# Altium PCB eRTM15_Baikal.PcbDoc (part 1 of 7) (continued)
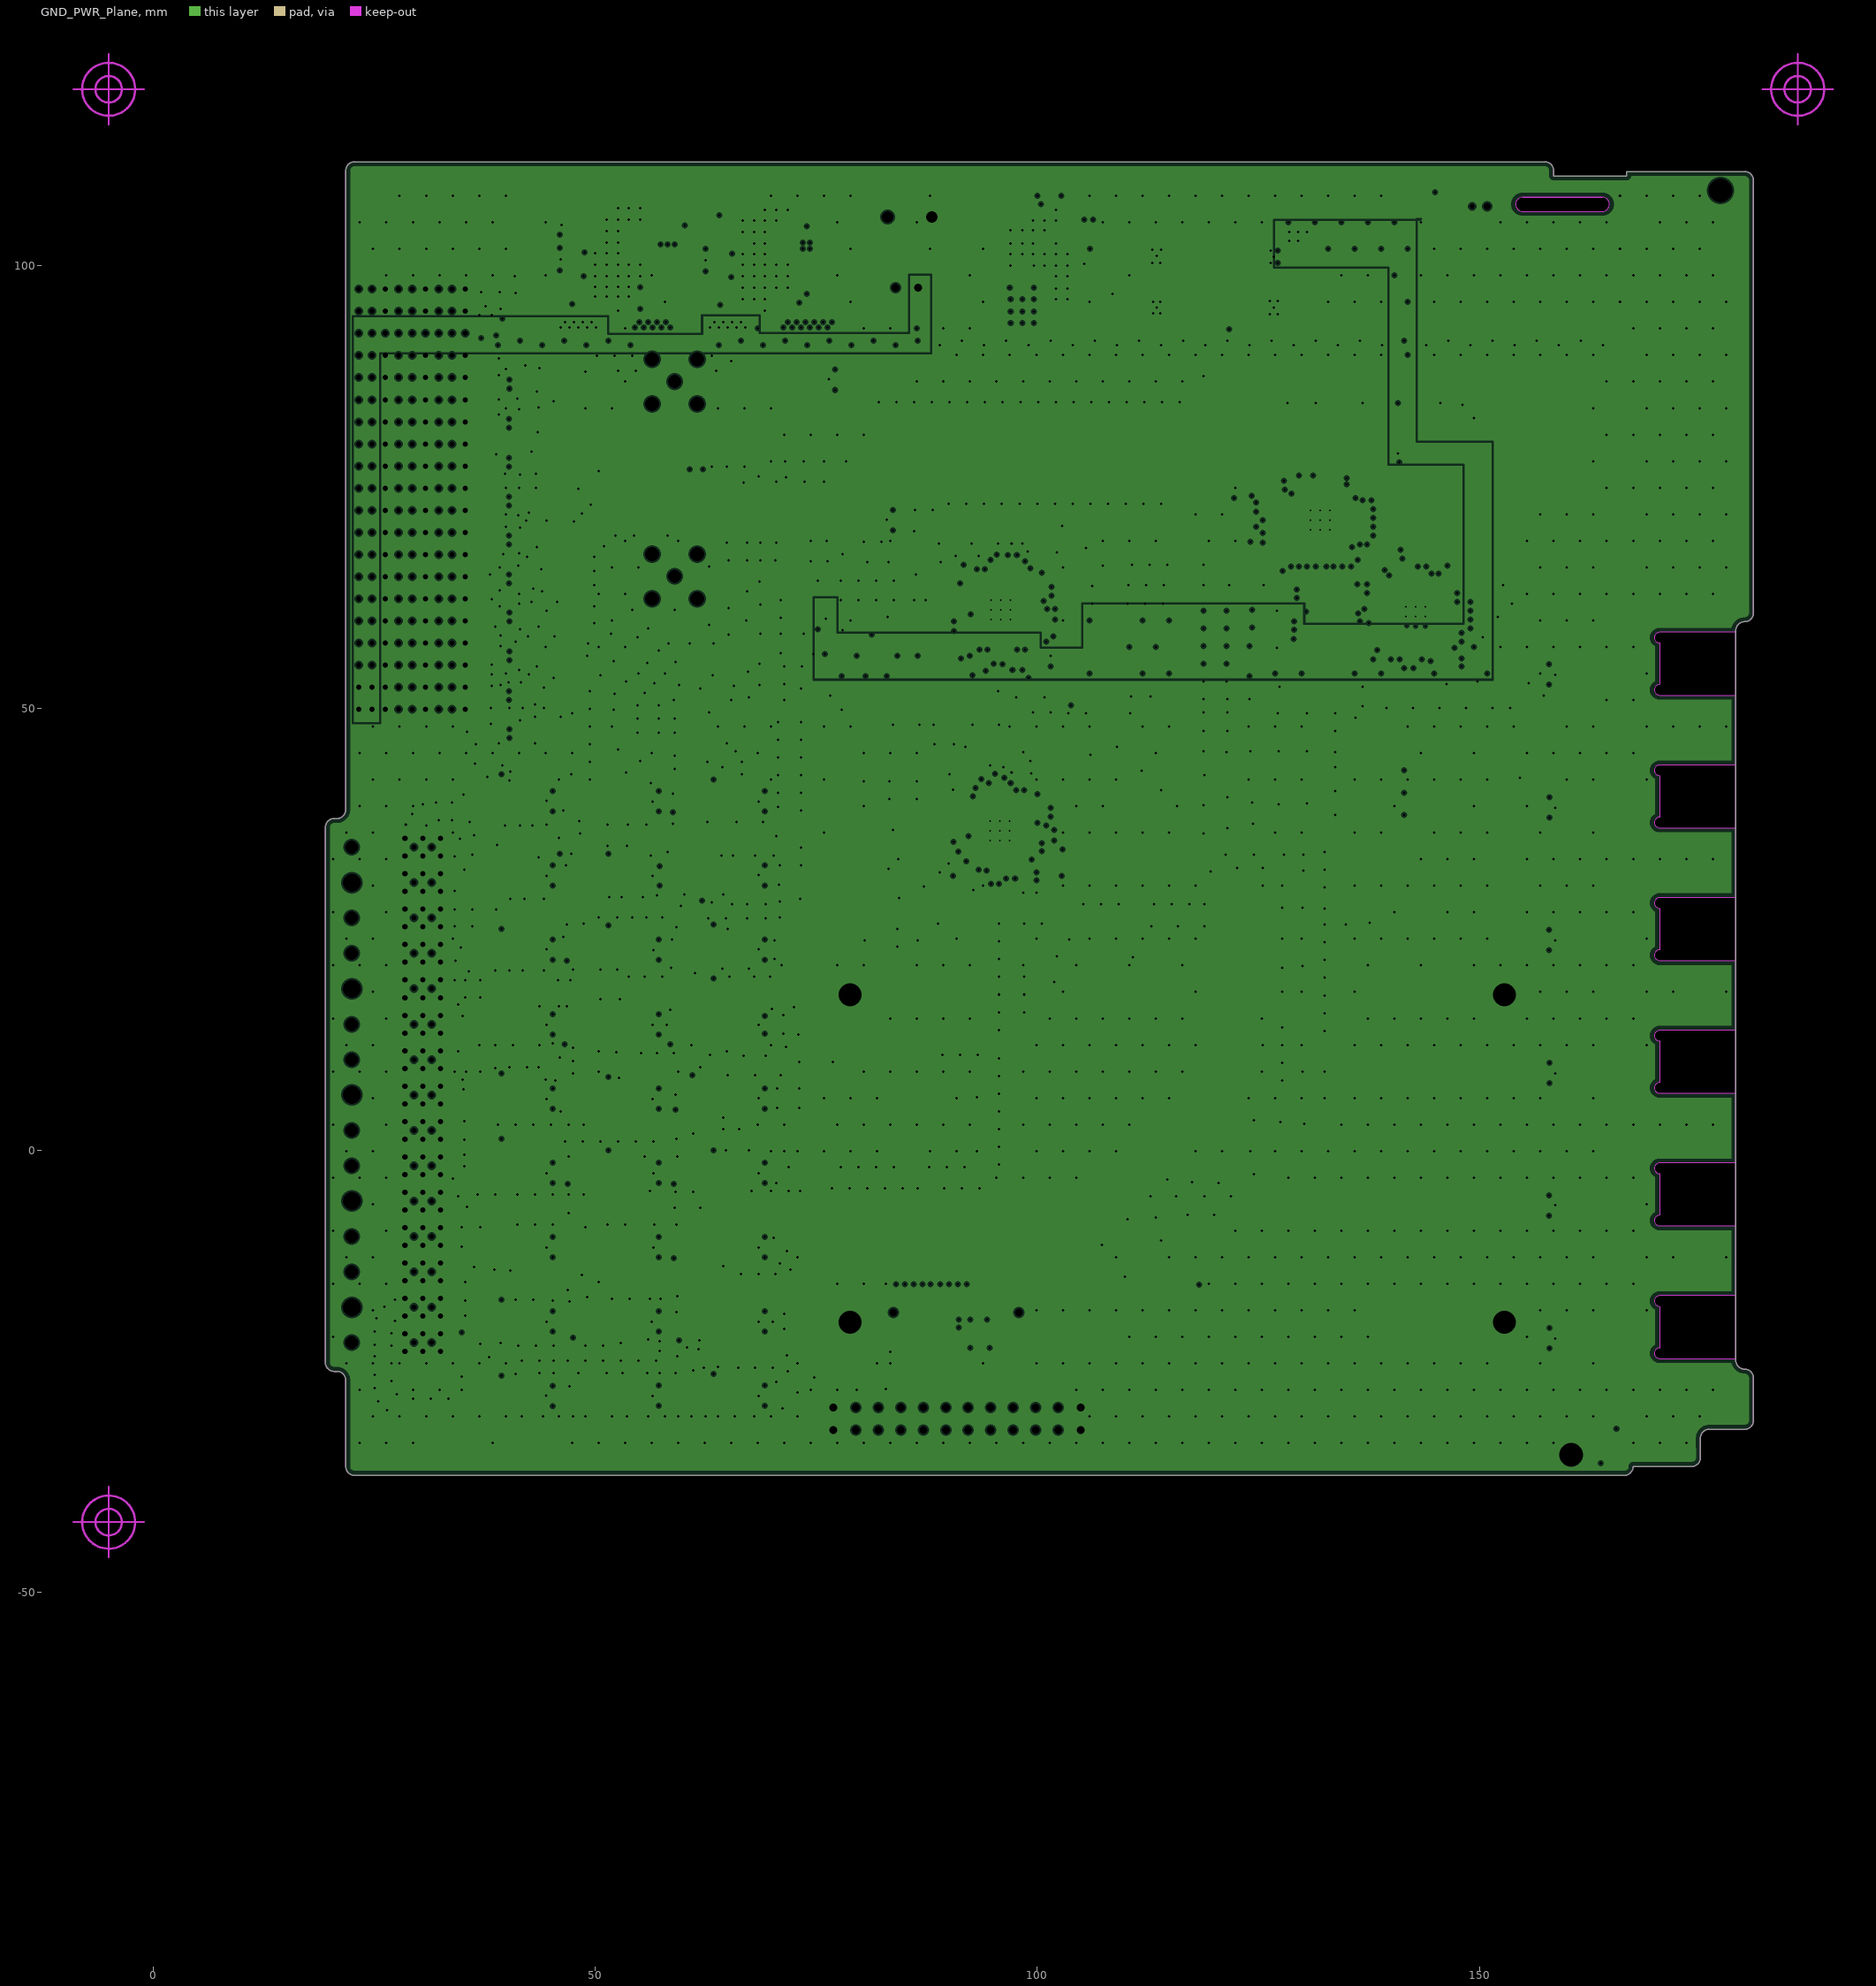
[diagram p3: GND_PWR_Plane, clearances drawn from the general rule]
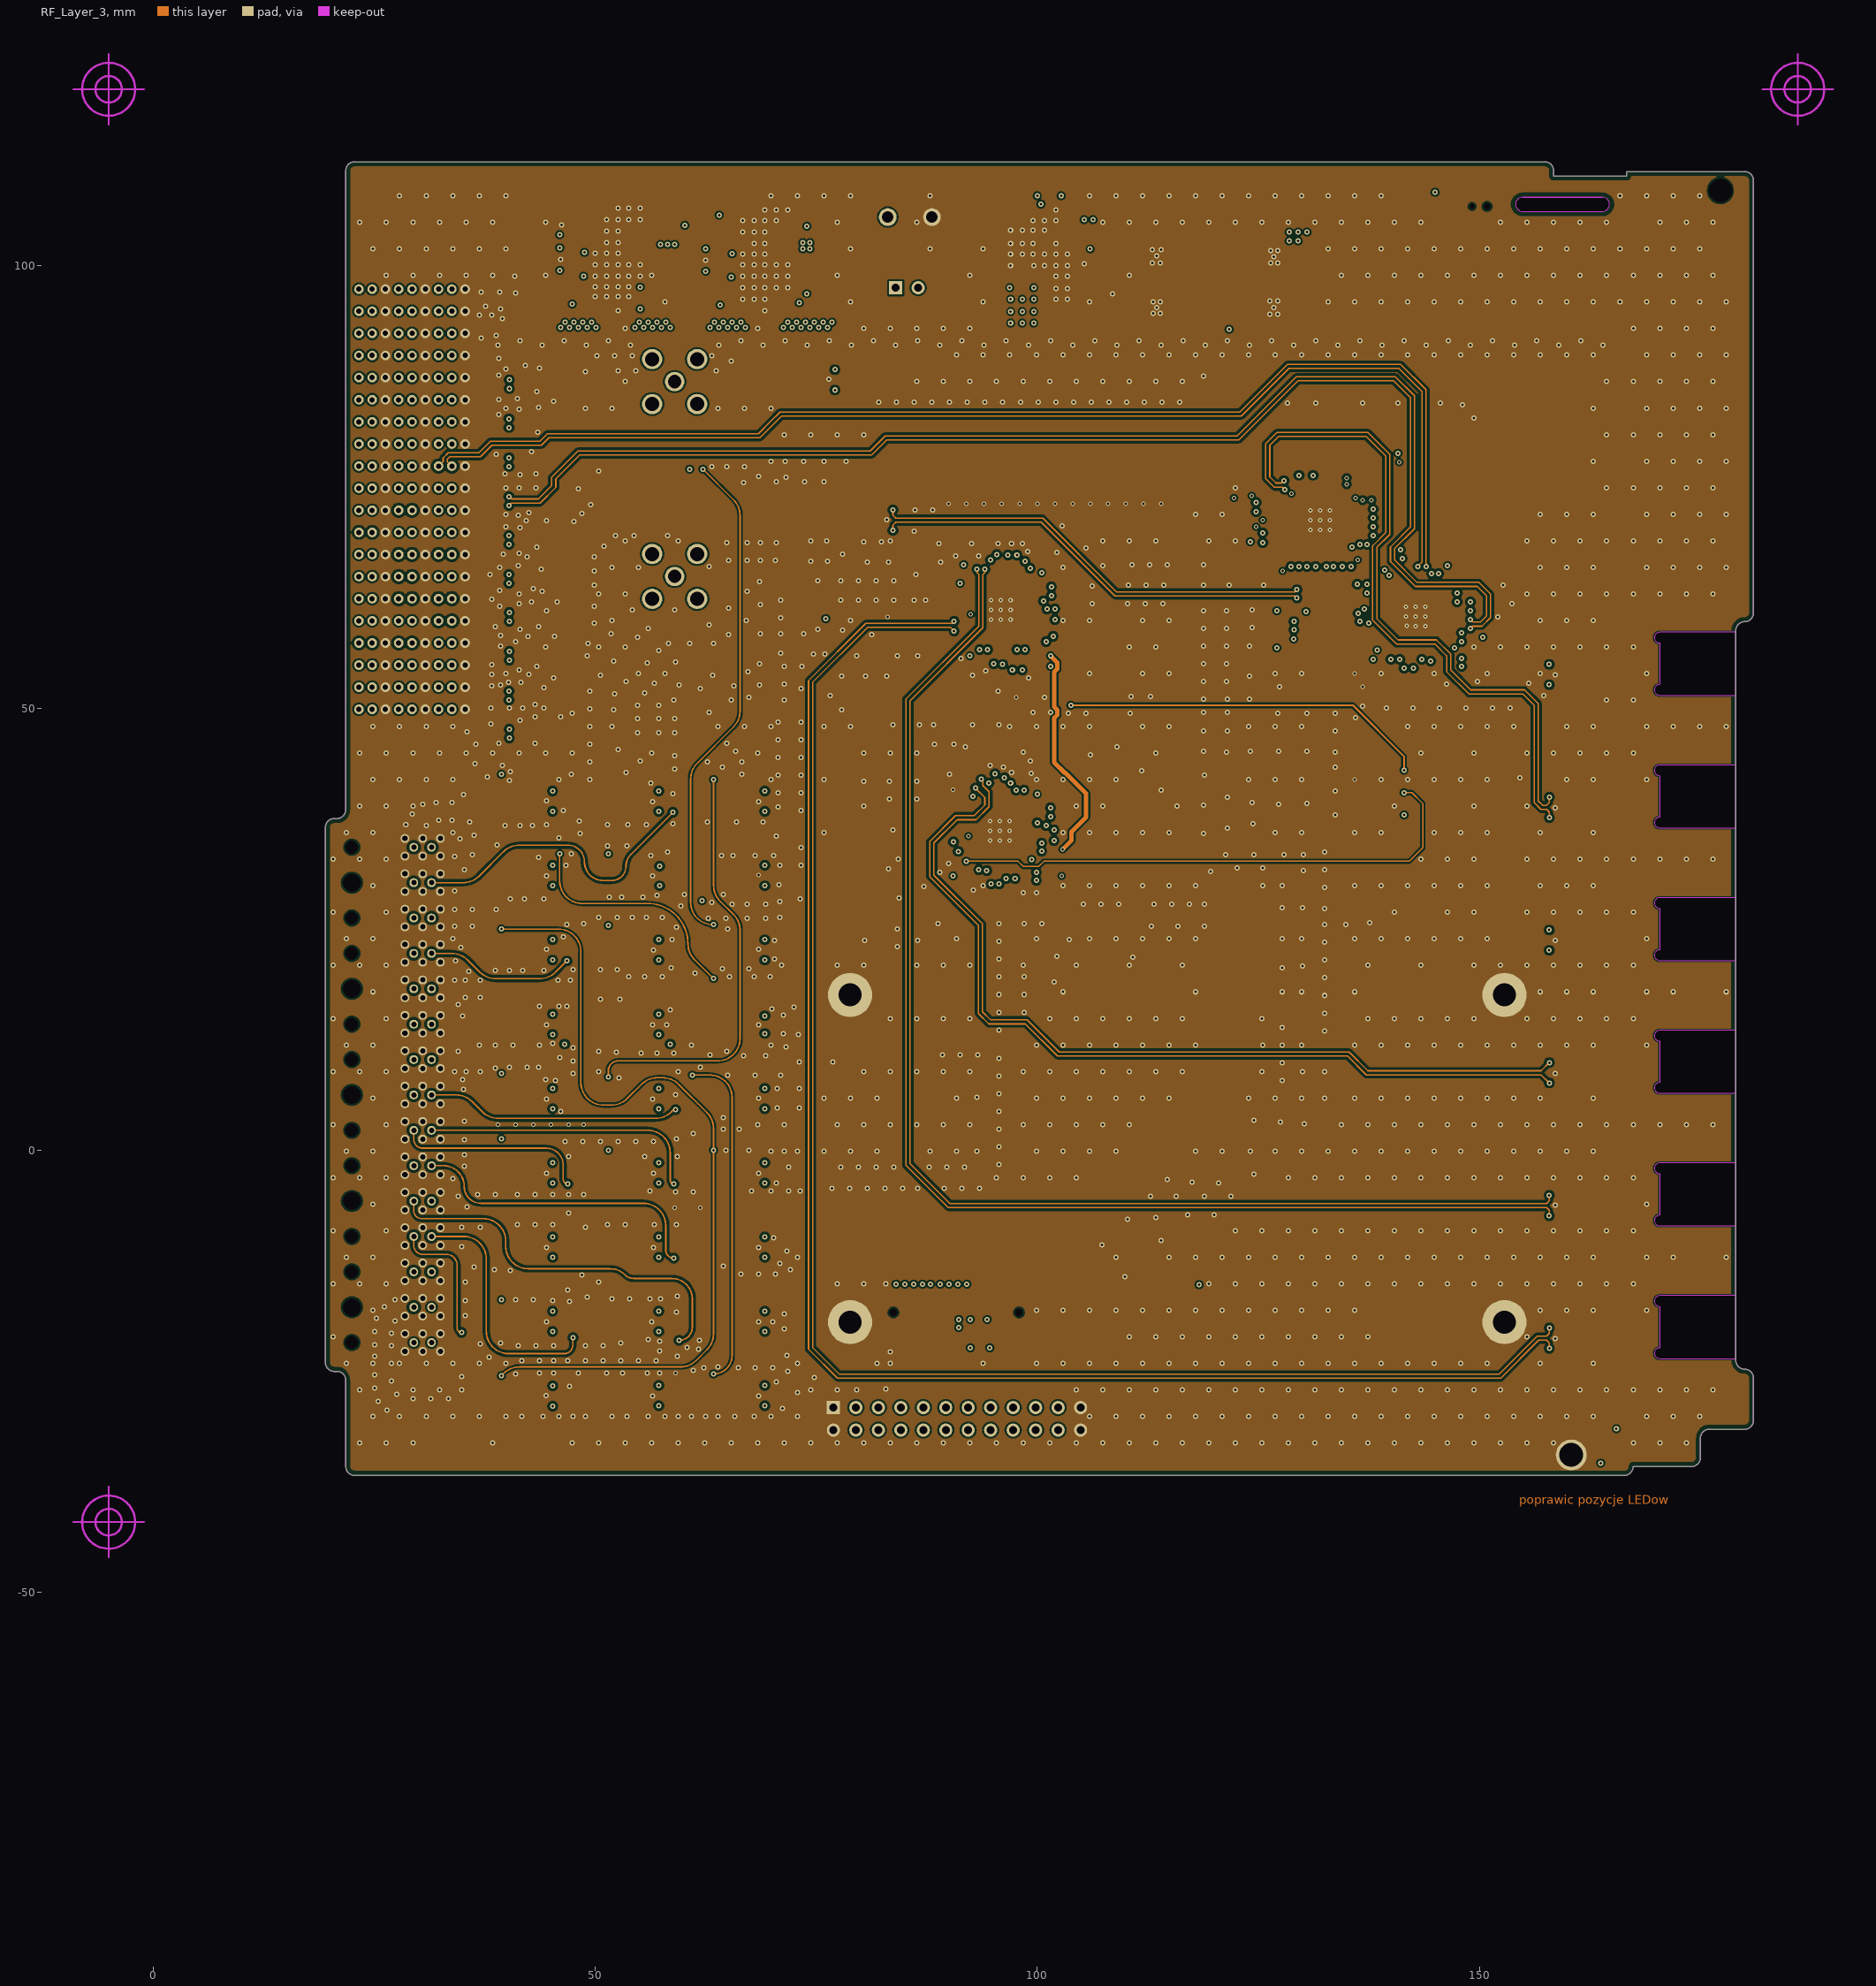
[diagram p4: RF_Layer_3]
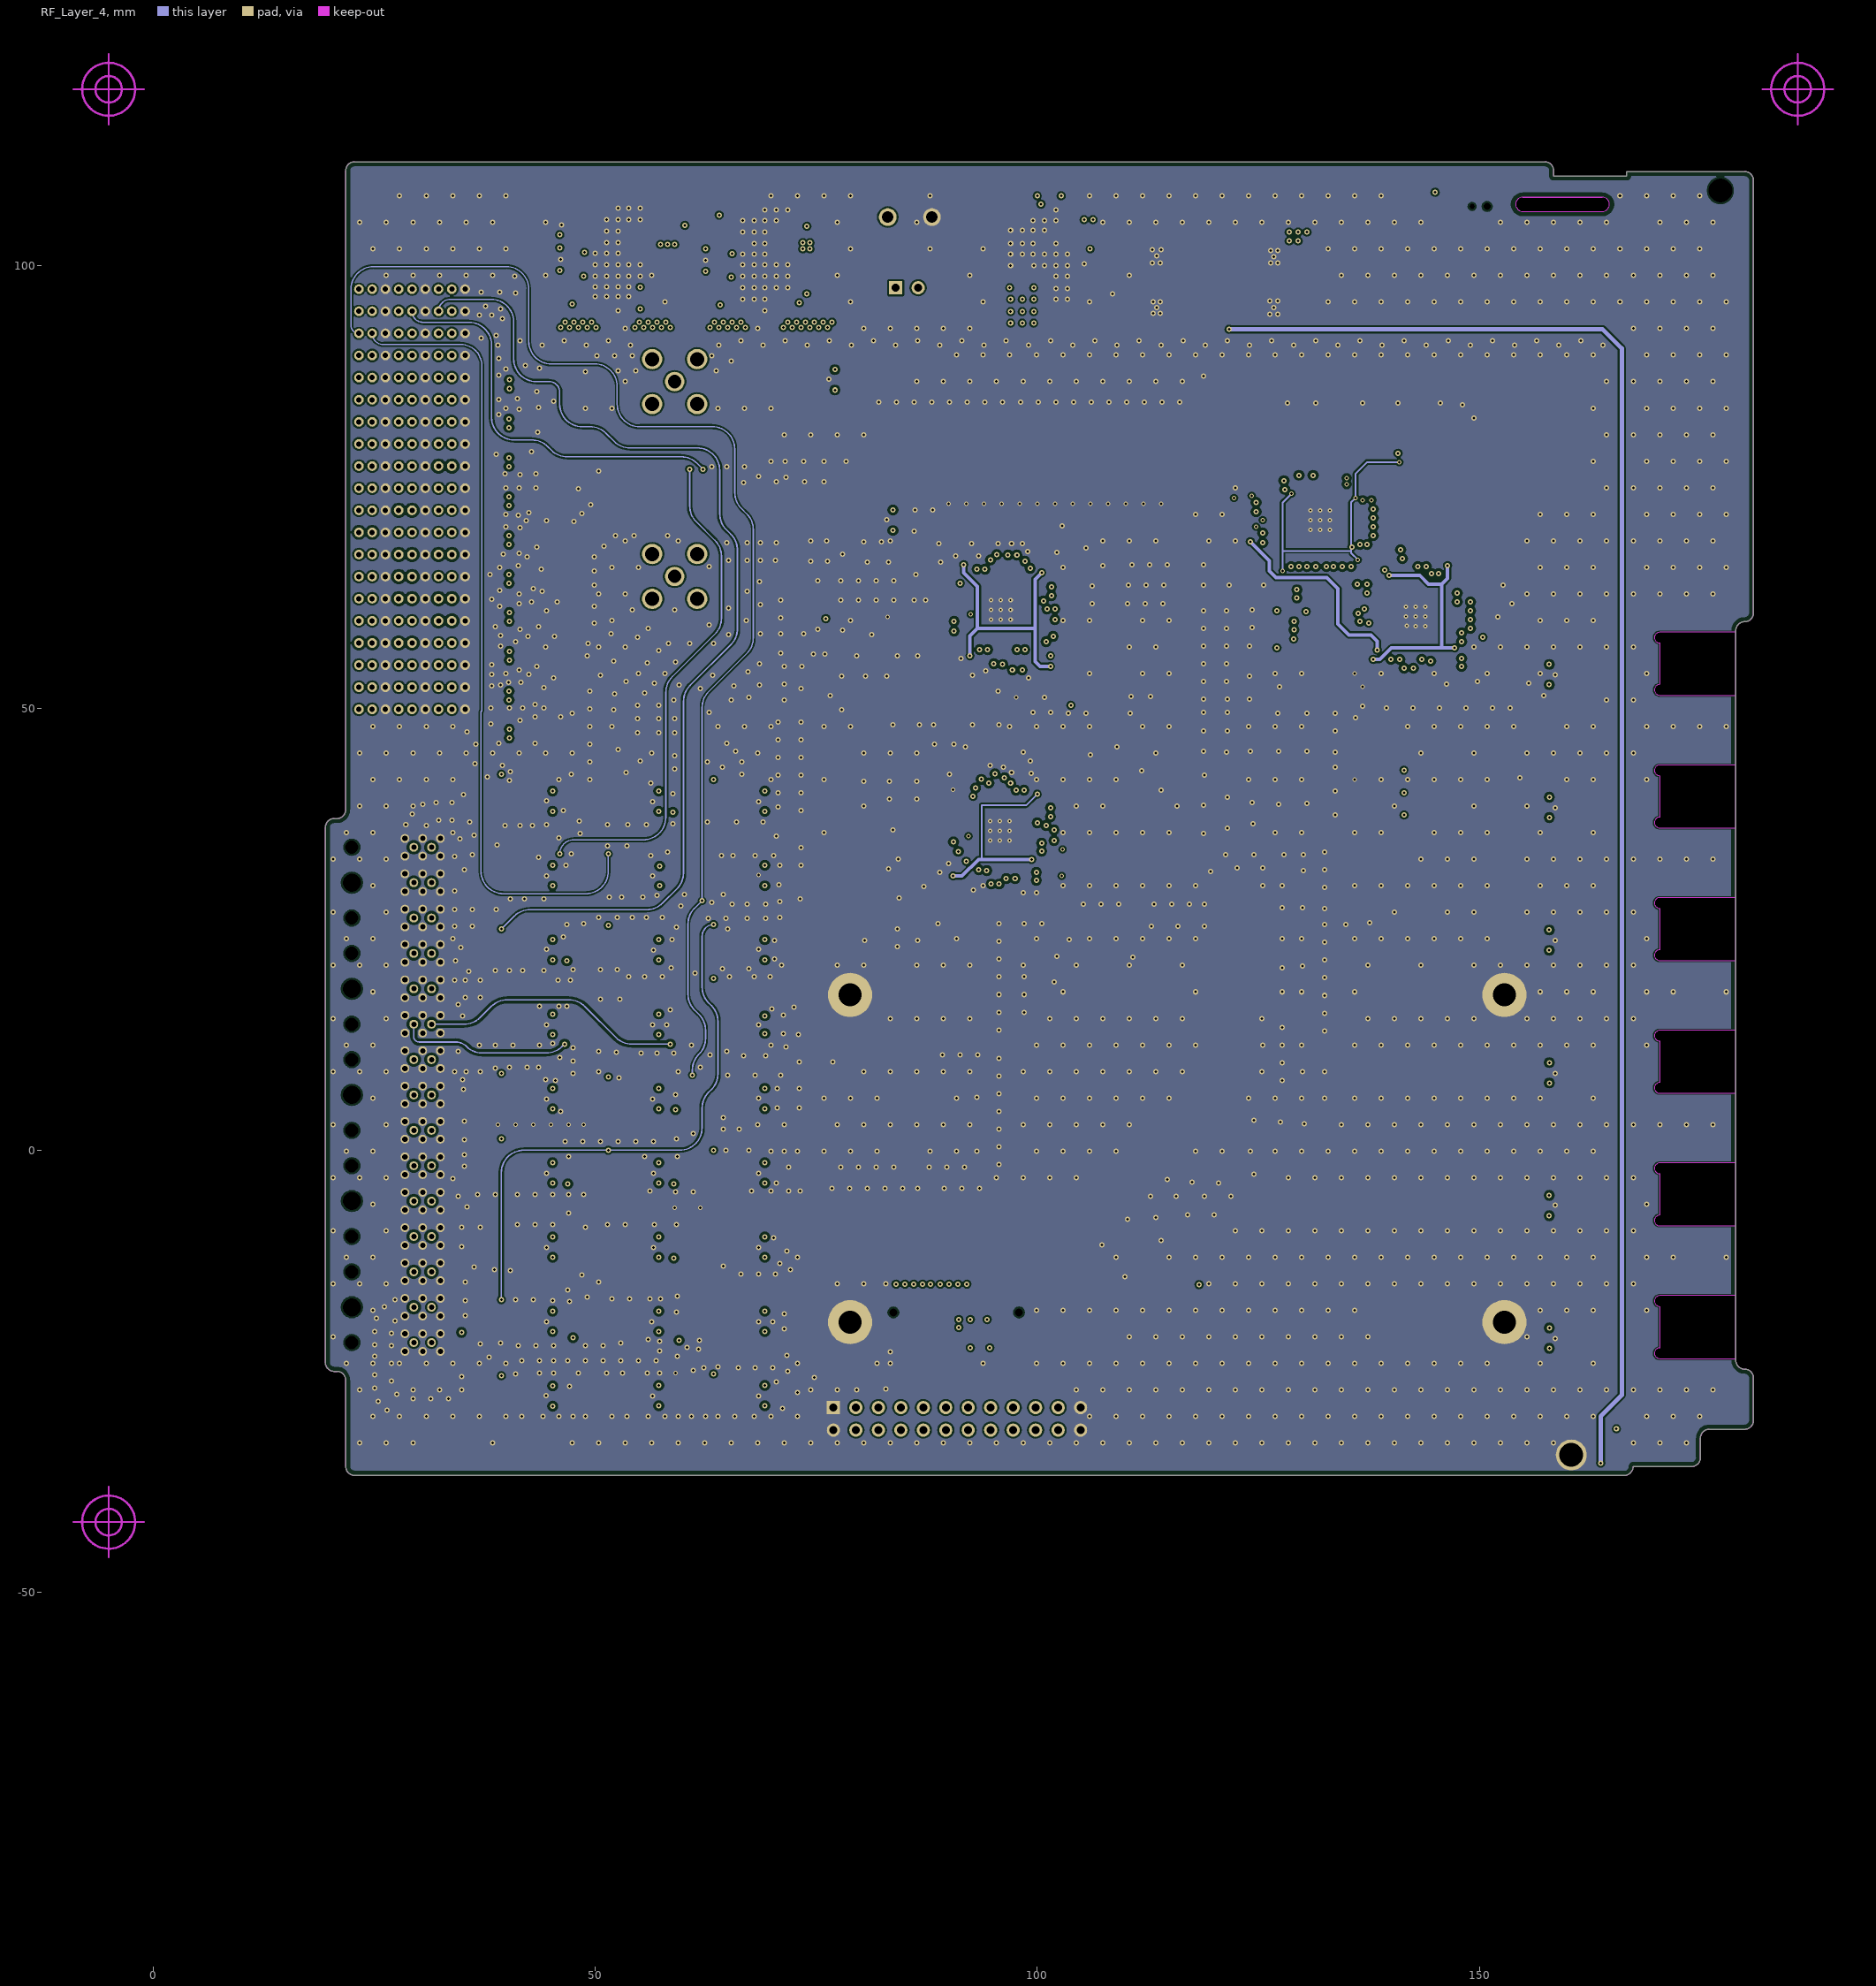
[diagram p5: RF_Layer_4]
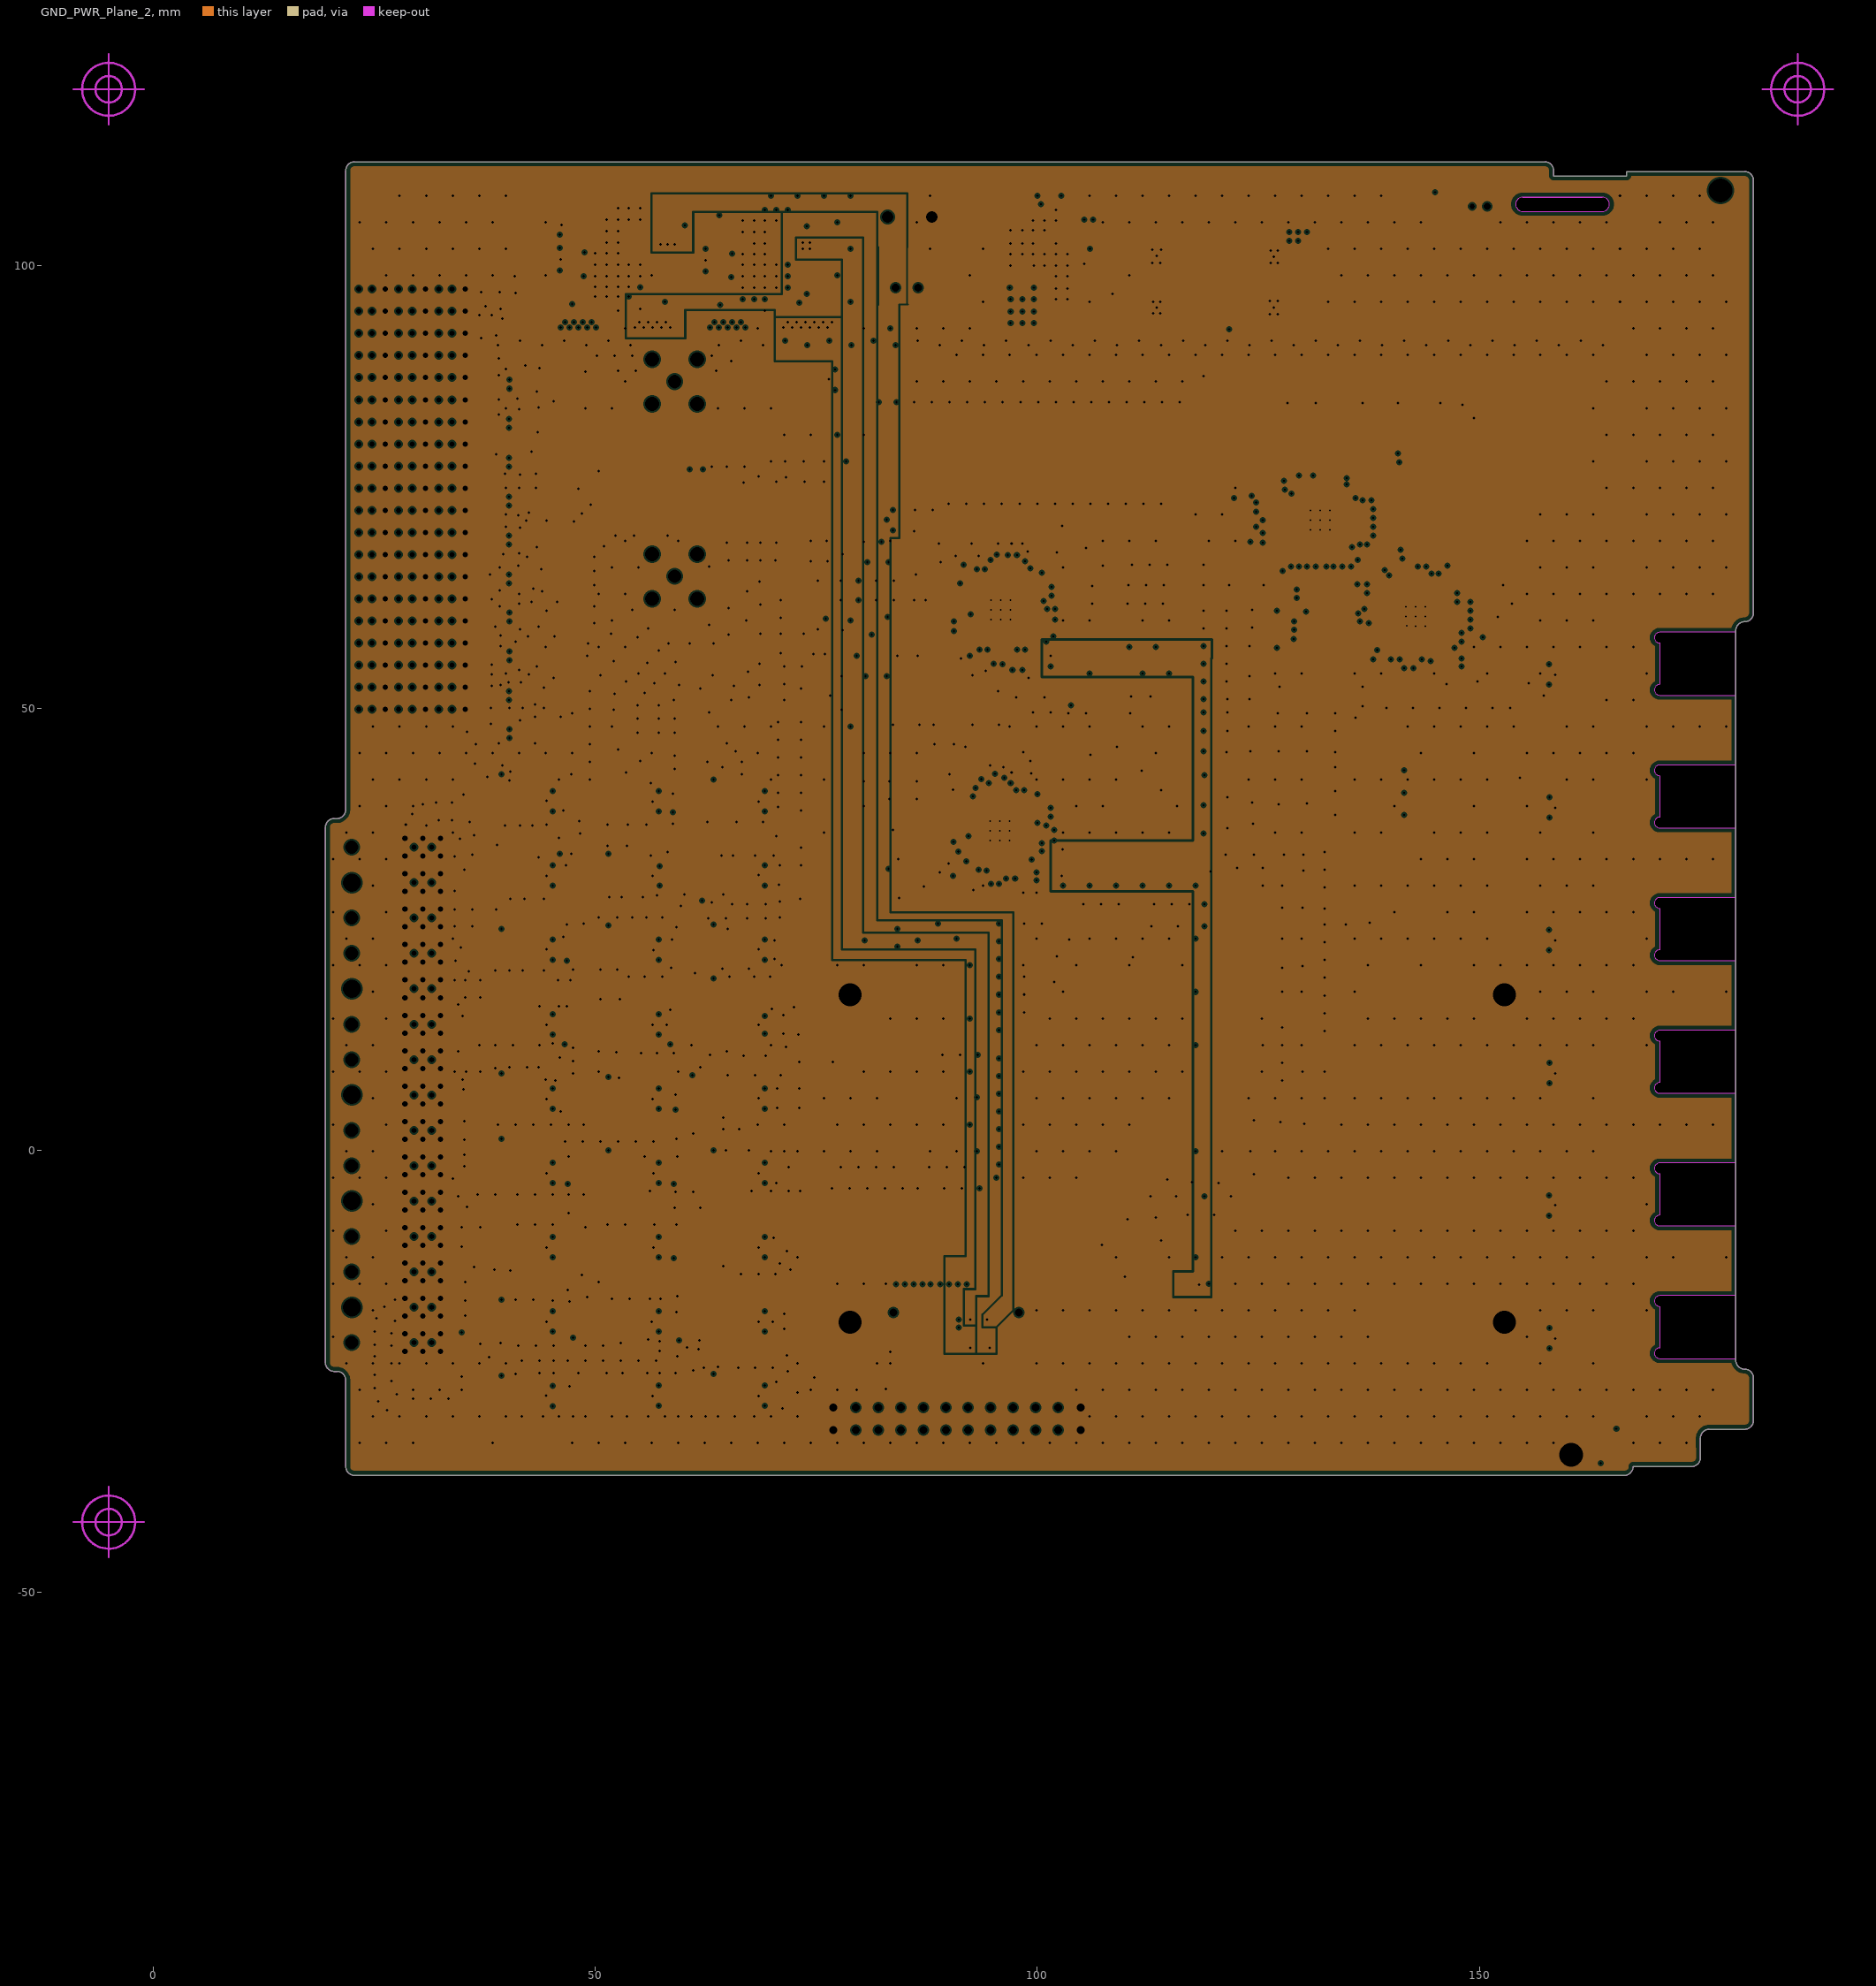
[diagram p6: GND_PWR_Plane_2, clearances drawn from the general rule]